# Altium PCB PCB-SM-multi.PcbDoc (part 2 of 2)
Units mil, origin at the board's own origin, x right, y up, seen from the top; angles counter-clockwise.
Board outline 4897 x 3097 mil, 5 copper layers (L1, L1-2, L2, L3, L4); 330 components, 255 nets, 1010 pads, 216 vias.
Unrouted connection lines stored in the file: 207.
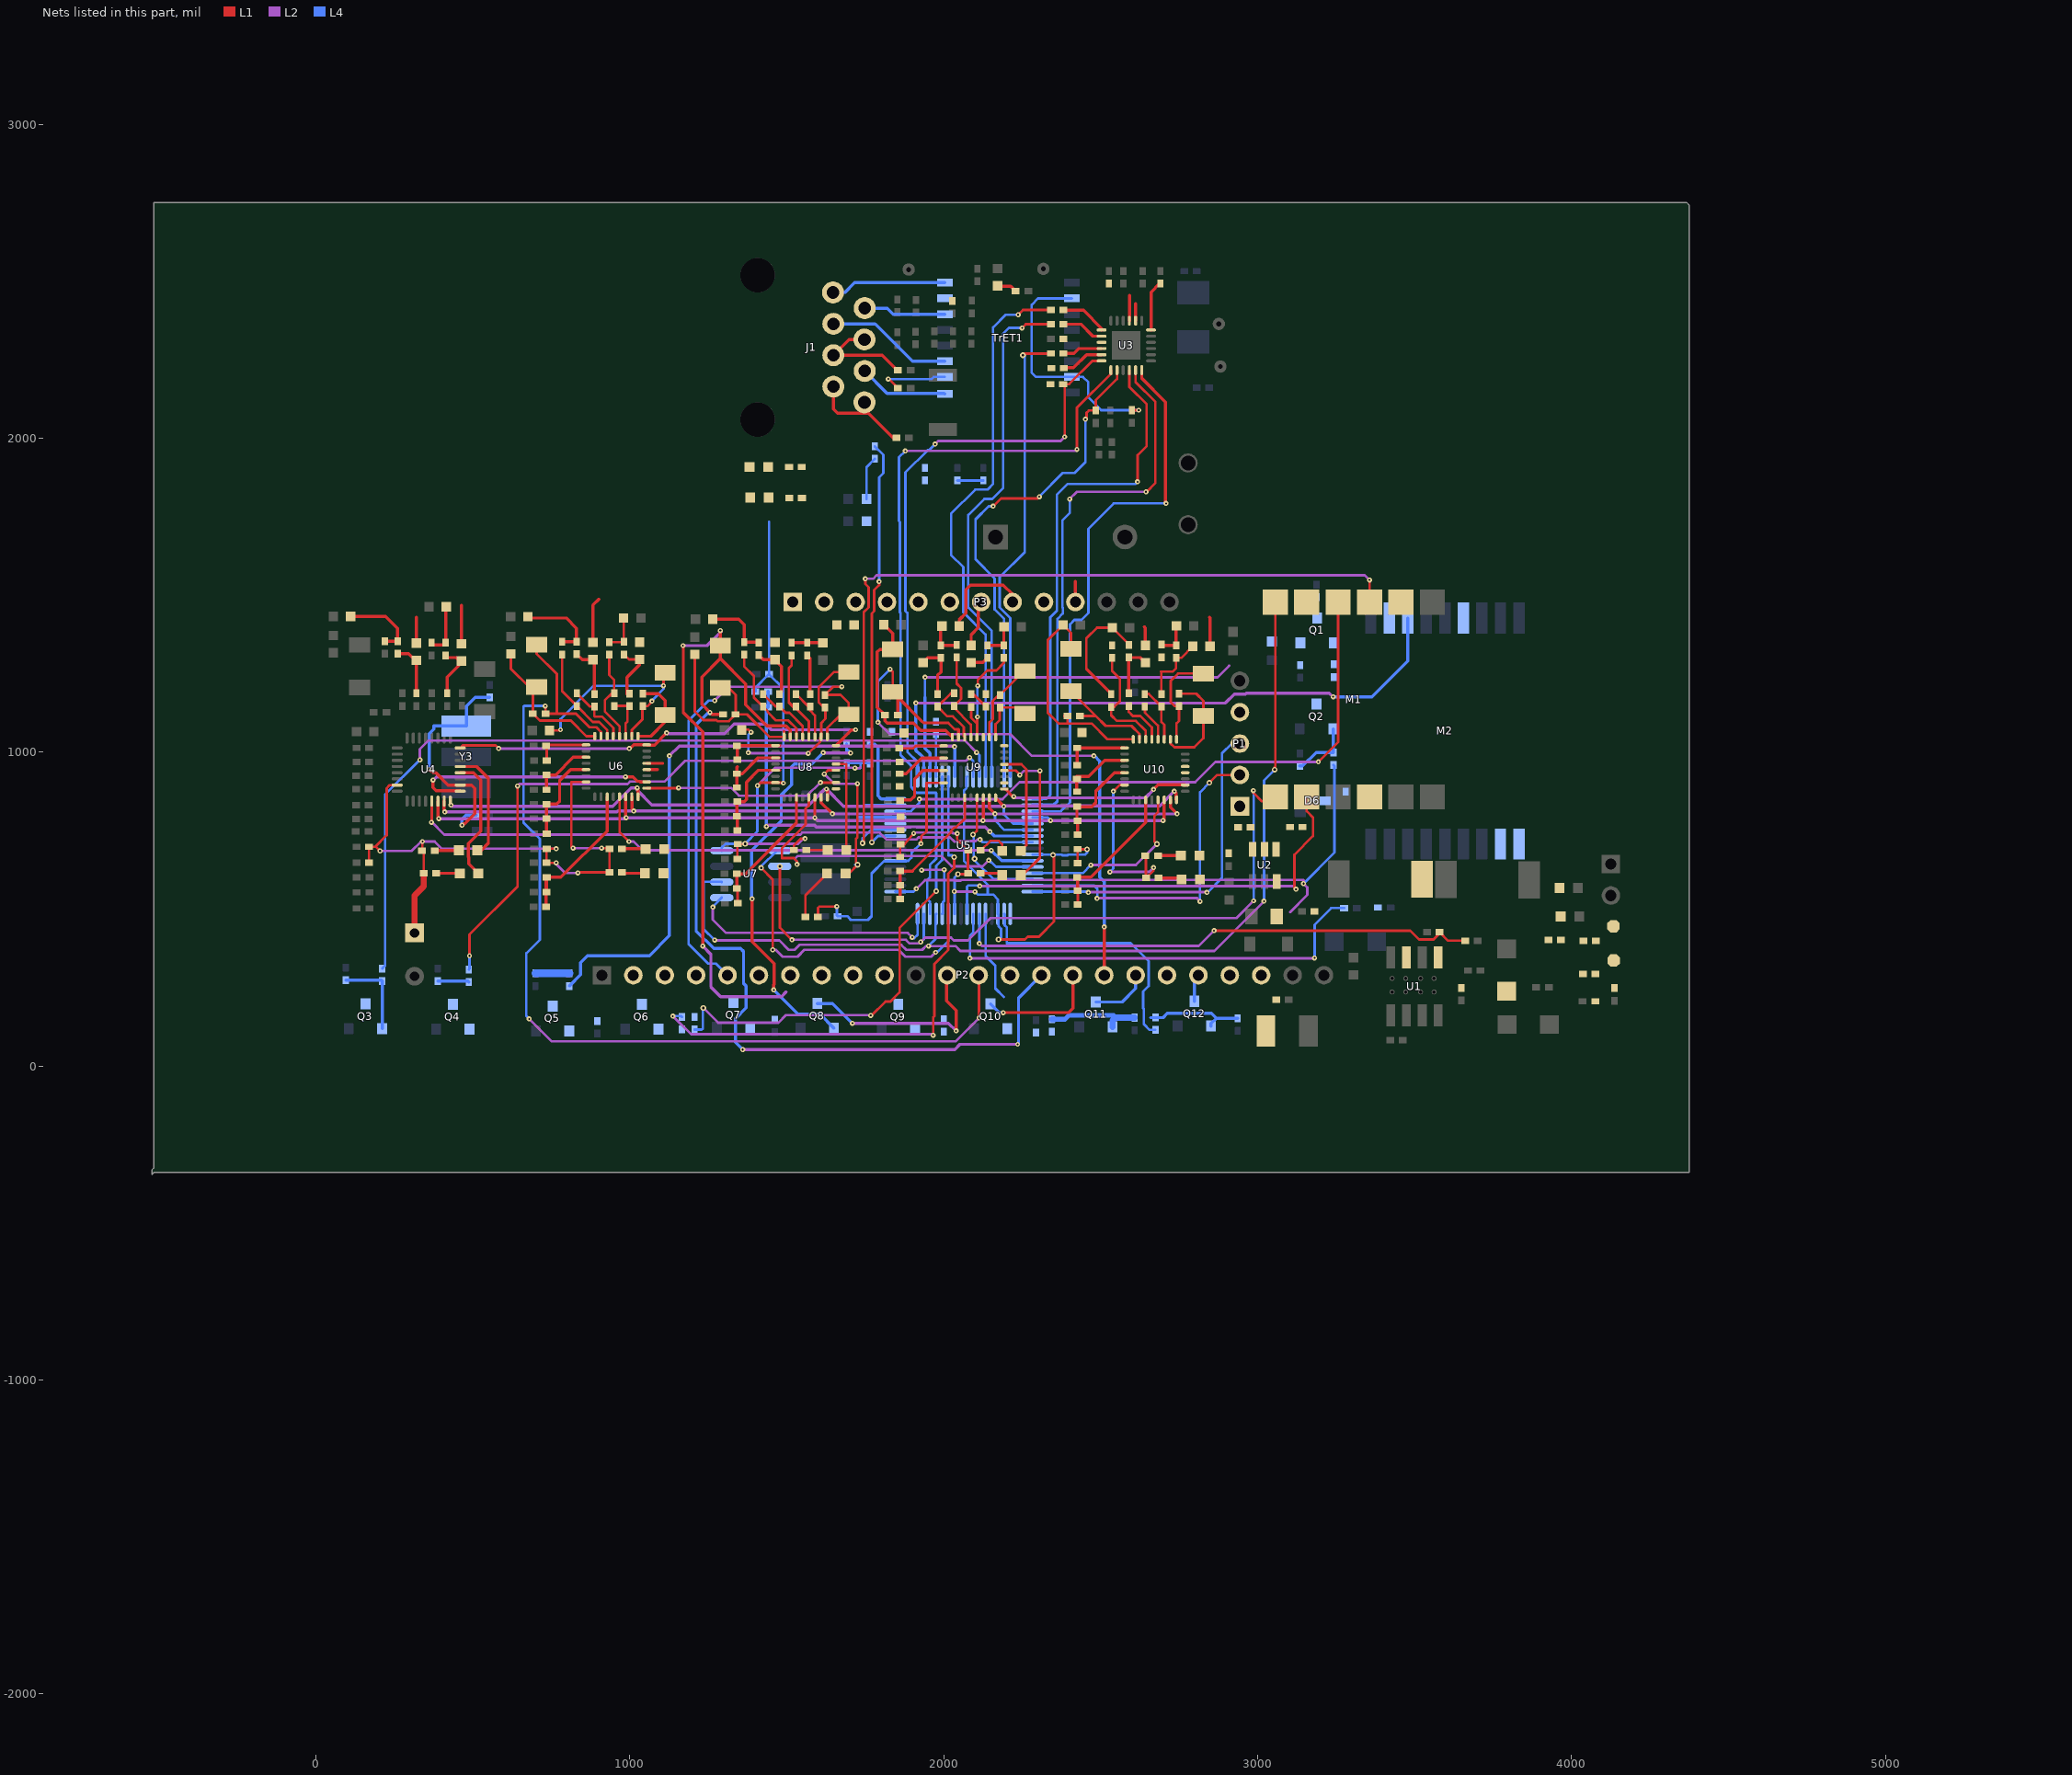
[diagram p3: the nets of this part, all layers, seen from the top]

## Via types
v1: diameter 16, hole 6, L1 to L2, 72 vias
v2: diameter 16, hole 6, L2 to L4, 62 vias
v3: diameter 16, hole 6, L1 to L4, 54 vias
v4: diameter 18, hole 8, L1 to L4, 24 vias
v5: diameter 25.98, hole 12.99, L1 to L4, tented top, 4 vias

## Nets (pads, with @x,y where several pads share a name; then routed paths per layer and width w, separated by ;. In a path a pad name is that pad's centre, name@x,y a point inside that pad or via, vN(x,y) a via of type N, cw(c..) or ccw(c..) an arc to the next point about the centre after c; other vN are vias at no path point) (continued)
NetC55_1: C55.1 R52.1 U4.2 Y3.1 | length 773.9
  L1 w10: v3(361,945) 372,934 382,934 421.13,894.87 U4.2@459.39,894.87 ; U4.2@459.39,894.79 495.21,894.79 506,884 506,803 474,771 469,771 v3(465,767)
  L4 w10: v3(361,945) 361,1059 375,1073 375,1083 Y3.1@479,1083 479,1146 507,1174 C55.1@553,1174 ; v3(465,767) 465,786 478,799 R52.1@511,799
NetC59_1: C59.1 C62.1 C63.1 U6.21 | length 305.2
  L1 w10: C63.1@735,740 734,741 C62.1@734,788 C59.1@734,834 767,834 776,843 776,909 811.16,944.16 U6.21@860.54,944.16
NetC60_1: C60.1 C61.1 C64.1 U6.27 | length 504.6
  L1 w10: C61.1@733,507 C64.1@733,601 ; C60.1@734,553.4 C60.1@734,554 734,600 C64.1@735,601 780,601 927.47,748.47 U6.27@927.47,857.54
NetC65_1: C65.1 R58.1 U6.12 | length 293.3
  L1 w8: R58.1@934,1310 934,1245 950,1229 C65.1@950,1187 ; C65.1@941,1186 920,1165 920,1129 966.84,1082.16 U6.12@966.84,1050.46
NetC65_2: C65.2 R55.1 U6.11 | length 143.8
  L1 w8: C65.2@950,1147 R55.1@998,1147 ; U6.11@986.53,1050.46 986.53,1091.53 992,1097 R55.1@992,1144
NetC66_1: C66.1 L12.2 R61.2 U6.10 | length 691.4
  L1 w8: L12.2@744,1069 779,1069 v3(779,1071) ; U6.10@1006.21,1050.46 1006.21,1070.21 1040,1104 C66.1@1040,1146 ; C66.1@1041,1146 1056,1146 1071,1161 v3(1070,1162) ; v3(1107,1211) R61.2@1107,1248
  L4 w8: v3(779,1071) 779,1105 885,1211 v3(1107,1211) 1107,1201 1070,1164 v3(1070,1162)
NetC66_2: C66.2 P2.3 R61.1 U6.9 | length 253.1
  L1 w10: U6.9@1025.9,1050.46 1066.46,1050.46 1112,1096 R61.1@1112,1118 1112,1164 1090,1186 C66.2@1041,1186
NetC67_2: C67.2 M1.2 M2.15 P1.4 R59.1 U5.7 | length 1297
  L2 w10: v2(1435,763) 1435,765 1437,767 1587.83,767 1593.43,761.4 1894.98,761.4 1895.38,761.8 1912.62,761.8 1913.02,761.4 2131.6,761.4 v2(2147,746)
  L4 w10: v2(1435,763) 1435,1138 C67.2@1440,1143 R59.1@1440,1193 ; v2(2147,746) 2160.47,732.53 U5.7@2282.5,732.53
NetC68_1: C68.1 R66.1 U6.14 | length 331.7
  L1 w8: R66.1@784,1311 784,1194 C68.1@831,1147 882,1096 902,1096 927.47,1070.53 U6.14@927.47,1050.46
NetC68_2: C68.2 R63.1 U6.13 | length 206.3
  L1 w8: C68.2@831,1187 873,1145 R63.1@887,1145 887,1114 888,1113 911,1113 947.16,1076.84 U6.13@947.16,1050.46
NetC69_1: C69.1 C71.1 U6.19 | length 197
  L1 w10: C69.1@734,880 C71.1@734,927 763.17,927 819.7,983.53 U6.19@860.54,983.53
NetC70_1: C70.1 C72.2 U6.17 | length 176.6
  L1 w8: C72.2@735,973 735,1018 C70.1@733,1020 735.9,1022.9 U6.17@860.54,1022.9
NetC73_1: C73.1 L15.2 R72.2 U6.16 | length 470.7
  L1 w8: L15.2@621,1313 621,1265 679,1207 R72.2@703,1207 691,1195 C73.1@691,1122 713,1100 812,1100 861.54,1050.46
  L1 w10: 861.54,1050.46 U6.16@888.1,1050.46
NetC73_2: C73.2 P2.13 R72.1 U6.15 | length 3224.3
  L1 w8: R72.1@703,1342 703,1313 767,1249 767,1122 ; v3(730,1147) 731,1146 C73.2@731,1122 767,1122 ; U6.15@907.79,1050.46 907.79,1064.21 893,1079 871,1079 828,1122 767,1122 ; P2.13@2111,289 2112,288 v1(2112,153)
  L2 w8: v2(679,150) 750.8,78.2 2037.2,78.2 v1(2112,153)
  L4 w8: v2(679,150) 670,159 670,359 712.8,401.8 712.8,723.2 661,775 661,1145 663,1147 v3(730,1147)
NetC77_1: C77.1 C79.1 C81.1 U8.27 | length 431.7
  L1 w10: C77.1@1343,519 1343,564 C79.1@1341,566 C81.1@1341,612 1368,612 1530.47,774.47 U8.27@1530.47,855.54
NetC78_1: C78.1 C80.1 C82.1 U8.21 | length 301.1
  L1 w10: C80.1@1342,750 1342,795 C78.1@1341,796 1341,841 C82.1@1342,842 1364,842 1371,849 1371,904 1409.16,942.16 U8.21@1463.54,942.16 U8.21@1476.54,942.16
NetC83_1: C83.1 R77.1 U8.12 | length 289.2
  L1 w8: R77.1@1515,1308 1515,1276 1506.2,1267.2 1506.2,1158.2 C83.1@1519.4,1145 ; C83.1@1529,1139 1569.84,1098.16 U8.12@1569.84,1048.46
  L1 w10: C83.1@1519.4,1145 C83.1@1529,1145
NetC83_2: C83.2 R74.1 U8.11 | length 151.5
  L1 w8: C83.2@1529,1185 1569,1145 R74.1@1574,1145 ; 1574,1132 1589.53,1116.47 U8.11@1589.53,1048.46
NetC84_1: C84.1 L18.2 R78.2 U8.10 | length 657.7
  L1 w8: L18.2@1356,1070 1358,1072 1377,1072 v3(1386,1063) ; v1(1568,996) 1569,996 1595.88,1022.88 1596.45,1022.88 1606.25,1032.67 1606.25,1045.49 U8.10@1609.21,1048.46 1609.21,1092.21 1623,1106 1623,1140.19 C84.1@1621.19,1142 ; C84.1@1623,1142 C84.1@1621.19,1142 ; R78.2@1697,1255 1650.01,1255 1601.2,1206.19 1601.2,1158.8 1618,1142 C84.1@1621.19,1142
  L2 w8: v2(1377,998) 1379,996 v1(1568,996)
  L4 w8: v2(1377,998) 1377,1054 v3(1386,1063)
NetC84_2: C84.2 P2.5 R78.1 U8.9 | length 1709.5
  L1 w8: C84.2@1621.19,1182 1647.19,1208 v1(1675,1208) ; C84.2@1623,1182 1671,1182 1697,1156 R78.1@1697,1120 1672,1120 1628.9,1076.9 U8.9@1628.9,1048.46
  L2 w8: v2(1270,1164) 1314,1208 v1(1675,1208)
  L4 w8: v2(1270,1164) 1251,1164 1187,1100 1187,388 1249,326 1274,326 P2.5@1311,289
NetC85_1: C85.1 R83.1 U8.14 | length 353.6
  L1 w8: R83.1@1364,1310 1364,1273 1395,1242 1395,1174 C85.1@1424,1145 1439,1130 1439,1127 1465,1101 1504.43,1101 1530.2,1075.23 1530.2,1048.73 U8.14@1530.47,1048.46
NetC85_2: C85.2 R80.1 U8.13 | length 202.9
  L1 w8: C85.2@1424,1185 1464,1145 R80.1@1476,1145 1496,1125 1508,1125 1550.16,1082.84 U8.13@1550.16,1048.46
NetC86_1: C86.1 C88.1 U8.19 | length 223.1
  L1 w10: C86.1@1341,887 C88.1@1341,931 ; 1342,953.2 1341,952.2 C88.1@1341,931 ; U8.19@1476.54,981.53 U8.19@1463.54,981.53 1408.53,981.53 1358,931 C88.1@1341,931
NetC87_1: C87.1 C89.1 U8.17 | length 180.3
  L1 w10: C87.1@1342,976 1342,1019 C89.1@1341,1020 1341.9,1020.9 U8.17@1463.54,1020.9 U8.17@1476.54,1020.9
NetC90_1: C90.1 L21.2 R85.2 U8.16 | length 655.1
  L1 w8: L21.2@1207,1311 1207,1129 1234,1102 1275.81,1102 1279.61,1098.2 1315.2,1098.2 C90.1@1337,1120 ; R85.2@1288,1204 1315,1204 1337,1182 C90.1@1337,1120 ; 1491.1,1065.9 U8.16@1491.1,1048.46 1444.54,1048.46 1373,1120 C90.1@1337,1120
NetC90_2: C90.2 P2.15 R85.1 U8.15 | length 4614.6
  L1 w10: v1(1169,1339) 1170,1338 1170,1126 1232,1064 v1(1232,382) ; v1(1288,1387) R85.1@1288,1339 1288,1298 ; C90.2@1297,1120 1261,1120 v3(1255,1126) 1229,1152 1229,1239 1288,1298 ; U8.15@1510.79,1048.46 1510.79,1069.97 1496.76,1084 1436,1084 1369,1151 1369,1217 1288,1298
  L2 w10: v1(1169,1339) 1246,1339 1291,1384 v1(1288,1387) ; v1(1232,382) 1258,356 1258,252 1288.8,221.2 1482.2,221.2 1497,236 ; v2(1359.2,52.2) 2034.96,52.2 2051.76,69 v2(2235,69)
  L4 w10: v3@1257,1123 1247,1123 1211,1087 1211,430 1267,374 1353,374 1362,365 1362,263 1370,255 1370,185 1336,151 1336,75.4 v2(1359.2,52.2) ; v2(2235,69) 2238,72 2238,216 P2.15@2311,289
NetC91_1: C91.1 C96.1 C99.1 U9.27 | length 432.8
  L1 w8: 1900,621 2023.2,744.2 2023.2,748.2 2034.8,759.8 2038.8,759.8 2066.47,787.47
  L1 w10: C96.1@1861,532 C99.1@1861,576 C91.1@1861,621 1900,621 ; 2066.47,787.47 U9.27@2066.47,854.54
NetC93_1: C93.1 C98.2 C100.1 U9.21 | length 210.6
  L1 w10: C93.1@1861,845 1864,848 1895,848 1907,860 1907,915 1933.16,941.16 U9.21@1999.54,941.16
NetC94_1: C94.1 R89.1 U9.12 | length 360.3
  L1 w8: C94.1@2087,1139 2087,1109 2105.84,1090.16 ; U9.12@2105.84,1047.46 2105.84,1090.16 ; v3(2107,1112) 2105.84,1110.84 2105.84,1090.16 ; v3(2108,1211) 2108,1230 ; 2108.8,1230.8 2138,1260 2167,1260 2191,1284 R89.1@2191,1300
  L4 w8: v3(2107,1112) 2107,1210 v3(2108,1211)
NetC94_2: C94.2 R87.1 U9.11 | length 63.2
  L1 w8: C94.2@2087,1184 2095,1184 R87.1@2134,1145
NetC101_1: C101.1 L24.2 R90.2 U9.10 | length 261.4
  L1 w8: U9.10@2145.21,1047.46 2145.21,1094.21 2156,1105 2156,1163 2175,1182 C101.1@2179,1182 2255,1258 R90.2@2258,1258
NetC101_2: C101.2 P2.7 R90.1 U9.9 | length 187.3
  L1 w8: U9.9@2164.9,1047.46 2164.9,1088.9 2178,1102 2178,1141 C101.2@2179,1142 2239,1142 R90.1@2258,1123
NetC102_1: C102.1 R95.1 U9.14 | length 214.2
  L1 w8: C102.1@2033,1187 2022,1187 R95.1@1980,1145 2011,1114 2028.76,1114 2063.59,1079.17 2063.59,1050.34 U9.14@2066.47,1047.46
NetC102_2: C102.2 R92.1 U9.13 | length 290.3
  L1 w8: R92.1@2041,1301 2041,1218.19 2054.8,1204.39 2054.8,1168.8 C102.2@2033,1147 2033,1140.66 2086.16,1087.5 U9.13@2086.16,1047.46
NetC103_1: C103.1 L27.2 R96.2 U9.16 | length 609.3
  L1 w10: L27.2@1809,1406 1837,1378 R96.2@1837,1327 1796,1327 1788,1319 1788,1142 1812,1118 C103.1@1813,1118 1813,1099 1820,1092 1903,1092 1926,1069 2005.56,1069 U9.16@2027.1,1047.46
NetC103_2: C103.2 P2.17 R96.1 U9.15 | length 2048.4
  L1 w8: v3(1829,1264) 1837,1256 R96.1@1837,1192 ; 1930.8,1097.2 1935.2,1092.8 2014.26,1092.8 2034.85,1072.21 2046.79,1072.21
  L1 w10: R96.1@1837,1192 1837,1191 R96.1@1853,1175 ; C103.2@1853,1118 R96.1@1853,1175 ; 1930.8,1097.2 R96.1@1853,1175 ; U9.15@2046.79,1047.46 2046.79,1072.21 ; P2.17@2511,289 v3(2511,443)
  L2 w8: v2(1790,1095) 1828,1057 2211,1057 2280,988 v2(2478,988)
  L4 w8: v2(1790,1095) 1790,1225 v3(1829,1264)
  L4 w10: v2(2478,988) 2480,988 2497,971 2497,601 2511,587 v3(2511,443)
NetC104_1: C104.1 C105.1 U9.19 | length 161.1
  L1 w10: C104.1@1859,931 1880,931 1929.53,980.53 U9.19@1999.54,980.53
NetC106_1: C106.1 C107.1 U9.17 | length 144.8
  L1 w8: C106.1@1858,1012 1903,1012 1910.9,1019.9 U9.17@1999.54,1019.9
NetC111_1: C111.1 C115.1 C116.1 U10.21 | length 306.4
  L1 w10: C116.1@2424,825 2424,781 2426,779 C115.1@2426,737 ; C116.1@2425,826 2472,826 2484,838 2484,875 2543.32,934.32 U10.21@2576,934.32
NetC112_1: C112.1 C113.1 C117.1 U10.27 | length 449
  L1 w10: C112.1@2427,515 2427,557 C117.1@2426,558 2426,600 C113.1@2425,601 2468,601 2642.93,775.93 U10.27@2642.93,847.7
NetC114_1: C114.1 R104.1 U10.12 | length 120.5
  L1 w8: C114.1@2641,1144 2641,1125.66 2682.3,1084.36 U10.12@2682.3,1040.61
NetC114_2: C114.2 R101.1 U10.11 | length 175.7
  L1 w8: C114.2@2640,1185 2653,1185 R101.1@2693,1145 2693,1098 ; 2693,1096 2701.98,1087.02 U10.11@2701.98,1040.61
NetC118_1: C118.1 L30.2 R106.2 U10.10 | length 342
  L1 w8: U10.10@2721.67,1040.61 2721.67,1027.79 2734.43,1015.03 2798.03,1015.03 2827,1044 R106.2@2827,1115 2827,1163 2804,1186 C118.1@2749,1186
NetC118_2: C118.2 P2.9 R106.1 U10.9 | length 321.5
  L1 w8: U10.9@2741.35,1040.61 2741.35,1091.35 2749,1099 C118.2@2749,1146 2736,1146 2723,1159 2723,1227 2746,1250 R106.1@2827,1250
NetC119_1: C119.1 R111.1 U10.14 | length 368.5
  L1 w8: C119.1@2536,1300 2536,1259 2561,1234 2561,1162 2543,1144 R111.1@2533,1144 2533,1117 2550.8,1099.2 2611.8,1099.2 2642.93,1068.07 U10.14@2642.93,1040.61
NetC119_2: C119.2 R109.1 U10.13 | length 151.1
  L1 w8: R109.1@2589,1147 2589,1128 2602,1115 2626.23,1115 2662.61,1078.61 U10.13@2662.61,1040.61
NetC120_1: C120.1 L33.2 R112.2 U10.16 | length 729
  L1 w8: C120.1@2384,1115 C120.1@2394,1115 2394,1093 2392,1091 ; R112.2@2405,1329 2405,1380 L33.2@2380,1405 2331,1356 2331,1125 2365,1091 2392,1091 ; U10.16@2603.56,1040.61 2521.39,1040.61 2471,1091 2392,1091
NetC120_2: C120.2 P2.19 R112.1 U10.15 | length 341.8
  L1 w8: R112.1@2405,1194 2484,1115 ; C120.2@2434,1115 2484,1115 ; U10.15@2623.24,1040.61 2623.24,1057.76 2597.6,1083.4 2515.6,1083.4 2484,1115
NetC121_1: C121.1 C123.1 U10.19 | length 222.4
  L1 w10: C121.1@2423,874 2423,922 2461,922 2512.69,973.69 U10.19@2576,973.69
NetC122_1: C122.1 C124.1 U10.17 | length 211.7
  L1 w10: C124.1@2421,1009 C124.1@2425,1013 ; C122.1@2425,958 C124.1@2425,1013 ; U10.17@2576,1013.06 C124.1@2425.06,1013.06 C124.1@2425,1013
NetD2_2: D2.2 Q1.B R9.2
NetD3_1: D3.1 R2.2
NetD6_K: D6.K R11.1
NetD7_1: D7.1 R20.2
NetD8_1: D8.1 R38.1
NetD8_2: D8.2 U3.3 | length 81.1
  L1 w10: 2591,2455 2591.1,2454.9 U3.3@2591.1,2373.95
NetD9_1: D9.1 R39.1
NetD9_2: D9.2 U3.2 | length 54.8
  L1 w10: U3.2@2610.79,2373.95 2610.79,2428.79
NetD10_1: D10.1 R43.1 | length 77.4
  L1 w10: R43.1@378,686 454,686 D10.1@455,687
NetD10_2: D10.2 U4.5 | length 356.3
  L1 w10: U4.5@459.39,953.84 512.16,953.84 549,917 549,710 526,687 D10.2@514.06,687
NetD11_1: D11.1 R44.1 | length 75.4
  L1 w10: R44.1@383,614 457,614 D11.1@458,613
NetD11_2: D11.2 U4.4 | length 402
  L1 w10: U4.4@459.39,934.16 500.84,934.16 525,910 525,747.54 485.51,708.05 485.51,665.16 486.3,664.37 486.3,643.76 D11.2@517.06,613
NetD12_1: D12.1 R69.1 | length 74
  L1 w10: R69.1@975,692 D12.1@1049,692
NetD12_2: D12.2 U6.4 | length 34.6
  L1 w10: U6.4@1053.46,944.16 1087.84,944.16 1088,944
NetD13_1: D13.1 R70.1 | length 74.2
  L1 w10: R70.1@975,617 978,614 D13.1@1048,614
NetD13_2: D13.2 U6.5 | length 51.4
  L1 w8: U6.5@1053.46,963.84 1104.84,963.84
NetD14_1: D14.1 R68.1
NetD15_1: D15.1 R67.1 | length 138.7
  L4 w8: D15.1@1754.06,1806 1754.06,1908.06 R67.1@1780,1934
NetD16_1: D16.1 R84.1 | length 166.6
  L1 w8: R84.1@1559,475 1559,544.06 D16.1@1627.94,613
NetD16_2: D16.2 U8.4 | length 481.6
  L1 w8: v1(1619,930) 1630,941 1630,942.16 U8.4@1656.46,942.16 ; D16.2@1687,613 1697,613 v4(1725,641) 1720.2,645.8 1720.2,723.42 1724.67,727.89 1724.67,898.67 v1(1725,899)
  L2 w8: v1(1619,930) 1650,899 v1(1725,899)
  L4 w8: v4@1716.96,641 v4(1725,641)
NetD17_1: D17.1 R86.1 | length 68
  L1 w8: R86.1@1562,688 D17.1@1630,688
NetD17_2: D17.2 U8.5 | length 306.4
  L1 w8: U8.5@1656.46,961.84 1689.06,961.84 D17.2@1689.06,688
NetD18_1: D18.1 R98.1 | length 71.5
  L1 w8: R98.1@2117,614 2180,614 D18.1@2186,608
NetD18_2: D18.2 U9.4 | length 484.7
  L1 w8: U9.4@2192.46,941.16 2229.84,941.16 v1@2242,929 ; D18.2@2245.06,608 2251,608 2306,663 v1(2306,940)
  L2 w8: v1(2242,927) 2255,940 v1(2306,940)
NetD19_1: D19.1 R100.1 | length 107
  L1 w8: R100.1@2117,687 2118,687 2148,717 2175,717 2186,706 D19.1@2186,685
NetD19_2: D19.2 U9.5 | length 334.7
  L1 w8: U9.5@2192.46,960.84 2247.16,960.84 2263,945 2263,702.94 D19.2@2252,691.94
NetD20_1: D20.1 R114.1 | length 75
  L1 w10: R114.1@2684,599 2751.94,599 D20.1@2756.94,594
NetD20_2: D20.2 U10.5
NetD21_1: D21.1 R113.1 | length 72.9
  L1 w10: R113.1@2682,670 D21.1@2754.94,670
NetD21_2: D21.2 U10.4
NetJ1_1: J1.1 TrET1.16 | length 368.8
  L4 w10: J1.1@1647,2464 1685,2464 1716,2495 TrET1.16@2003,2495
NetJ1_2: J1.2 TrET1.14 | length 262.9
  L4 w10: J1.2@1748,2414 1820,2414 1839,2395 TrET1.14@2003,2395
NetJ1_3: J1.3 TrET1.11 | length 404.3
  L4 w10: J1.3@1648,2364 1781,2364 1900,2245 TrET1.11@2003,2245
NetJ1_4: J1.4 J1.5 R27.1 | length 345.6
  L1 w10: J1.4@1747,2314 1698,2314 J1.5@1648,2264 1804,2264 1852,2216 R27.1@1854,2216
NetJ1_6: J1.6 TrET1.9 | length 285.4
  L4 w10: J1.6@1748,2214 1819,2143 2000.67,2143 TrET1.9@2003,2140.67
NetJ1_7: J1.7 J1.8 R34.1 | length 310.1
  L1 w10: J1.7@1648,2164 1648,2093 1661,2080 1760,2080 1839,2001 R34.1@1849,2001
NetL4_1: L4.1 P3.1 | length 122
  L1 w10: L4.1@463,1345 463,1467
NetL4_2: L4.2 R40.2 R41.2 | length 173.3
  L1 w10: R41.2@413,1301 447,1301 463,1285 463,1284 418,1239 R40.2@418,1187
NetL5_2: L5.2 R41.1 R42.2 | length 165.8
  L1 w10: R42.2@367,1343 369,1341 413,1341 R41.1@413,1348 L5.2@413,1460
NetL7_1: L7.1 P3.2 | length 86
  L1 w10: L7.1@320,1343 L7.1@320,1347 320,1429
NetL7_2: L7.2 R47.2 R49.2 | length 173
  L1 w10: R49.2@260,1313 295,1313 320,1288 L7.2@316,1284 ; R47.2@320,1187 L7.2@320,1284
NetL8_2: L8.2 R49.1 R50.2 | length 247.7
  L1 w10: L8.2@110,1432 222,1432 260,1394 R49.1@260,1353 R50.2@219,1353
NetL10_1: L10.1 P3.3
NetL10_2: L10.2 R55.2 R57.2 | length 183.2
  L1 w8: R57.2@981,1311 997,1295 L10.2@1031,1295
  L1 w10: R55.2@991,1185 991,1238 1031,1278 L10.2@1031,1295
NetL11_2: L11.2 R57.1 R58.2 | length 123
  L1 w8: R58.2@934,1350 980,1350 L11.2@980,1427
NetL13_1: L13.1 P3.4 | length 145.9
  L1 w10: L13.1@882,1349 882,1468 901,1487
NetL13_2: L13.2 R63.2 R64.2 | length 170.5
  L1 w10: R64.2@830,1312 848,1294 L13.2@882,1294 887,1289 R63.2@887,1185
NetL14_2: L14.2 R64.1 R66.2 | length 258.7
  L1 w10: L14.2@675,1431 679,1427 797,1427 830,1394 R64.1@830,1352 829,1351 R66.2@784,1351
NetL16_1: L16.1 P3.5
NetL16_2: L16.2 R74.2 R75.2 | length 126.7
  L1 w10: R75.2@1565,1308 1574,1299 R74.2@1574,1185
NetL17_2: L17.2 R75.1 R77.2 | length 100
  L1 w10: R77.2@1515,1348 R75.1@1565,1348 L17.2@1615,1348
NetL19_1: L19.1 P3.6
NetL19_2: L19.2 R80.2 R82.2 | length 181.2
  L1 w10: R82.2@1410,1309 1425,1294 L19.2@1462,1294 1483,1273 1483,1191 R80.2@1475,1183
NetL20_2: L20.2 R82.1 R83.2 | length 209.5
  L1 w10: L20.2@1264,1423 1347,1423 1364,1406 R83.2@1364,1350 1409,1350 R82.1@1410,1349
NetL22_1: L22.1 P3.7 | length 151.3
  L1 w10: L22.1@2087,1340 2087,1374 2110,1397 2110,1469 P3.7@2119,1478
NetL22_2: L22.2 R87.2 R88.2 | length 58.2
  L1 w10: L22.2@2087,1285 2124,1285 R88.2@2139,1300
NetL23_2: L23.2 R88.1 R89.2 | length 121.3
  L1 w10: R88.1@2139,1340 R89.2@2191,1340 L23.2@2191,1398 ; L23.2@2184,1391 L23.2@2191,1398 ; L23.2@2192,1399 L23.2@2191,1398
NetL25_1: L25.1 P3.8 | length 316.3
  L1 w10: L25.1@2049,1401 2049,1421 2070,1442 2070,1517 2085,1532 2189,1532 2219,1502 P3.8@2219,1478
NetL25_2: L25.2 R92.2 R94.2 | length 114.1
  L1 w10: L25.2@1994,1401 1990,1397 R94.2@1990,1340 2040,1340 R92.2@2041,1341
NetL26_2: L26.2 R94.1 R95.2 | length 182.2
  L1 w10: L26.2@1934,1285 1949,1300 R94.1@1990,1300 1991,1299 1991,1255 1980,1244 R95.2@1980,1185
NetL28_1: L28.1 P3.9 | length 92.4
  L1 w10: 2847,1429 2848,1428 L28.1@2848,1337
NetL28_2: L28.2 R101.2 R103.2 | length 225.3
  L1 w8: R101.2@2693,1185 2693,1255 2692,1256 2729,1256 2740,1267 R103.2@2740,1300 2756,1300 L28.2@2793,1337
NetL29_2: L29.2 R103.1 R104.2 | length 110.2
  L1 w10: R104.2@2693,1342 2695,1340 R103.1@2740,1340 2740,1401 L29.2@2741,1402
NetL31_1: 
NetL31_2: L31.2 R109.2 R110.2 | length 173.6
  L1 w10: R109.2@2589,1187 R110.2@2589,1301 2626,1301 L31.2@2642,1285